# Allegro board RK3588S_Template_LP4XD200P232SD8H2_31X31_2133MHz_H1R0_V11_20220218YWQ.brd (continued)
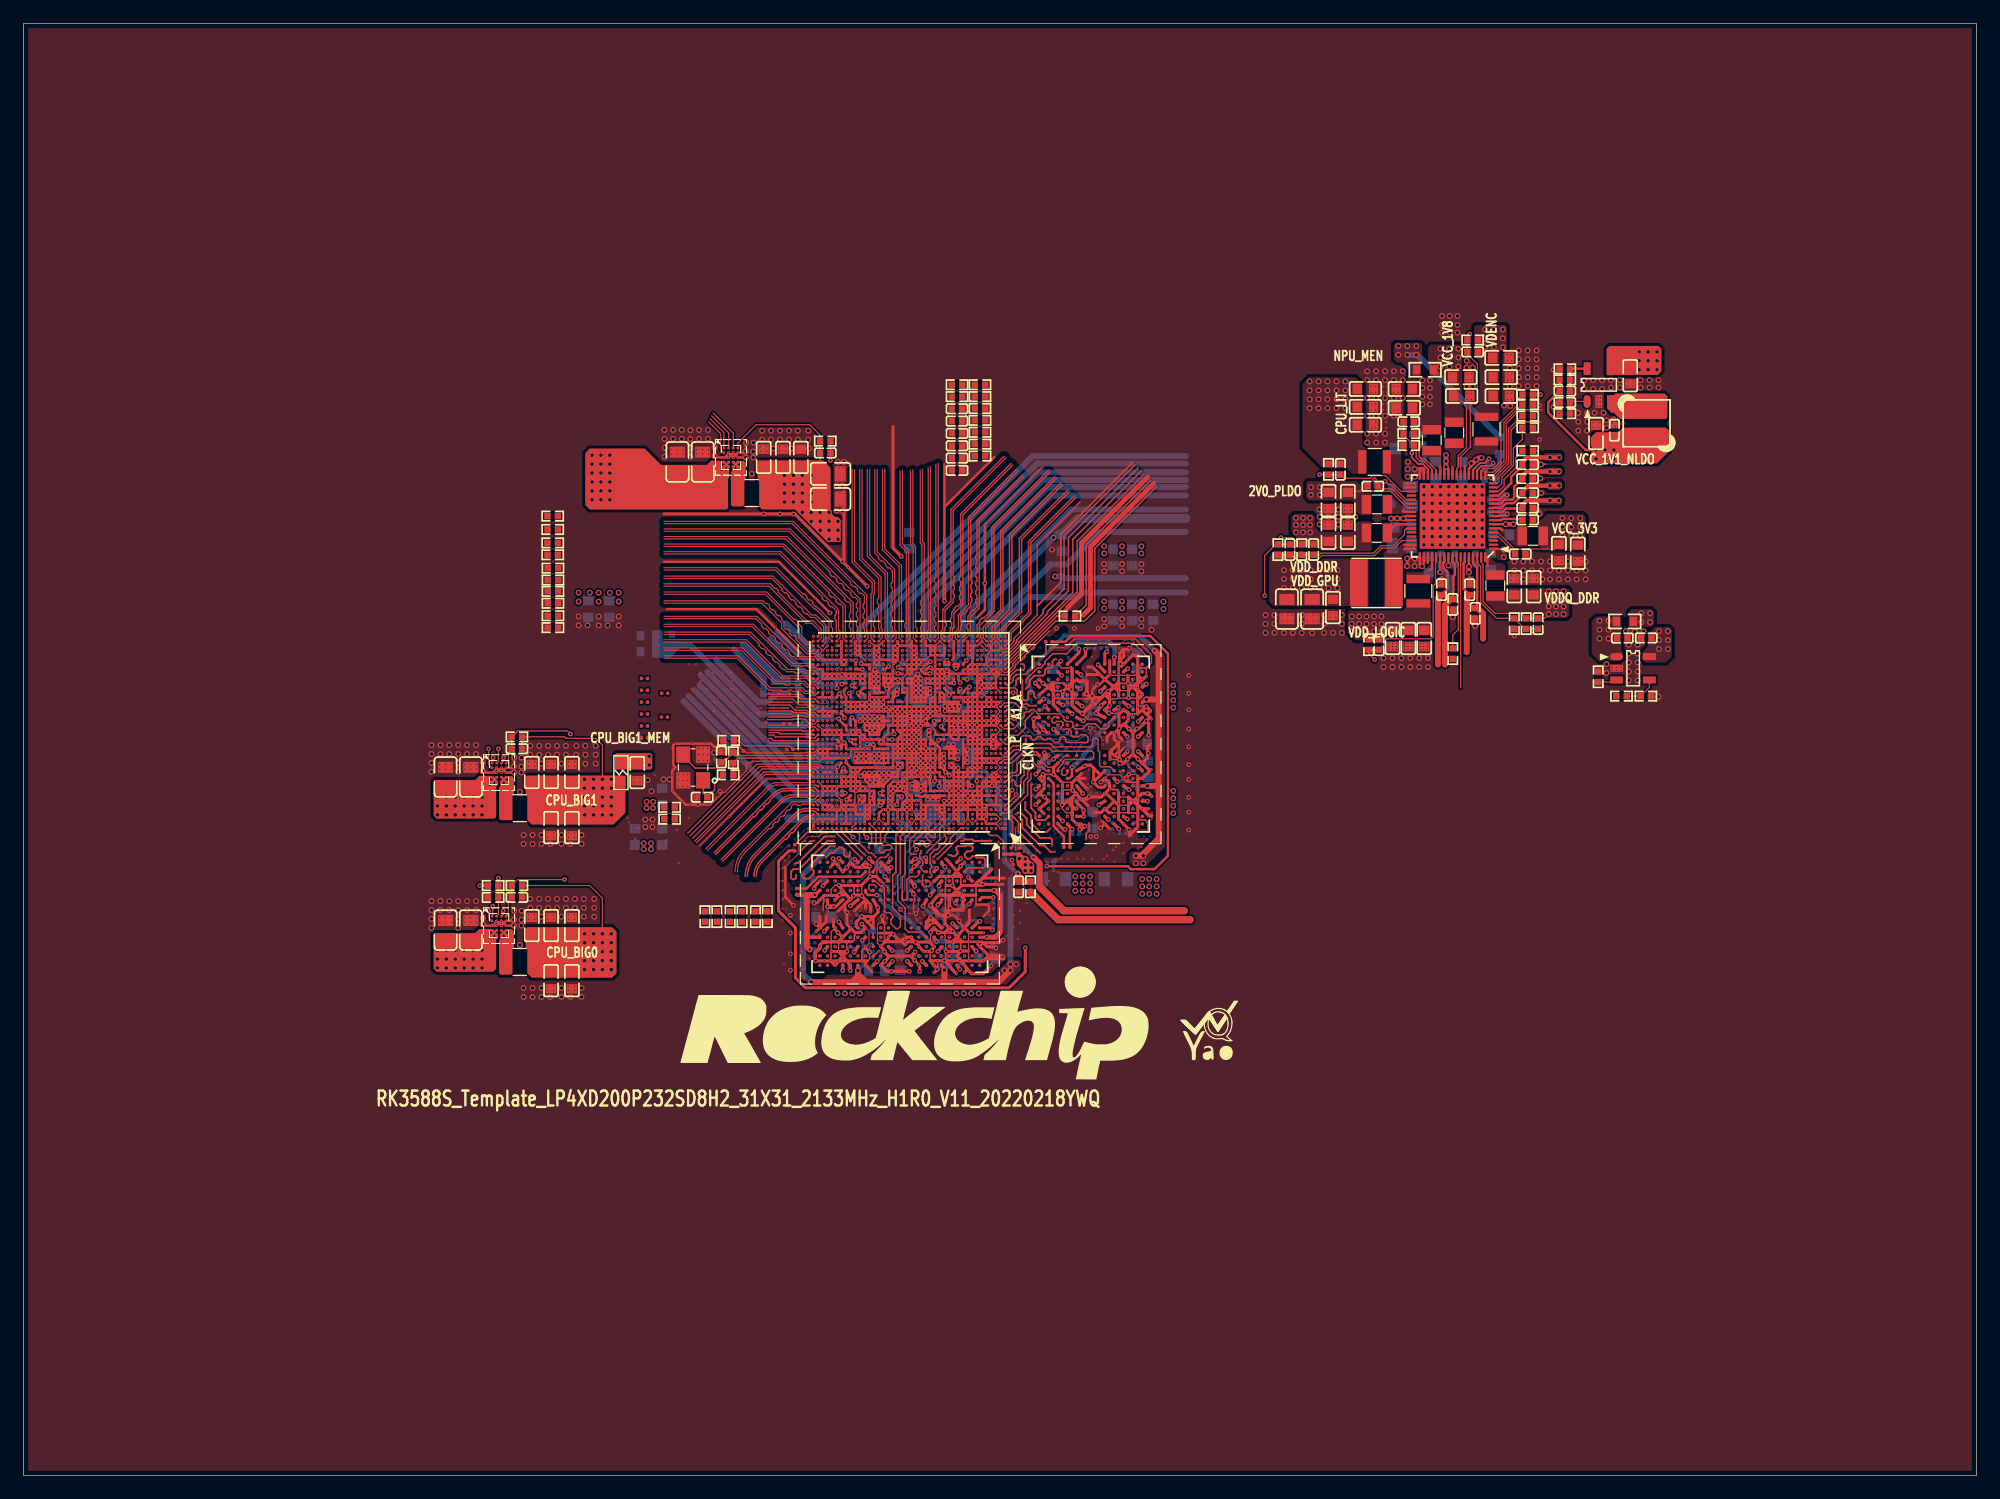
[diagram p0: board, top side]
## Routing (per net, layer and track width the routed paths; a pad name or vN(x,y) marks a point on that pad's centre or on a via; arc(x,y) is an arc through that point) (continued)
DDR_CH1_DQ1_C: length 14.1
  TOP w0.152: v2(79.06,53.02) 79.27,53.02 79.38,52.92 79.59,52.92 79.81,53.14 79.81,53.35 79.7,53.45 79.7,53.67 79.81,53.77 80.47,53.77 80.54,53.85 80.96,53.85 81.11,53.7 81.11,53.48 80.97,53.34 80.64,53.34 80.43,53.13 80.43,52.92 80.65,52.7 80.86,52.7 81.09,52.93 81.31,52.93 81.44,52.79 82.05,52.79 82.17,52.67 82.17,52.08 82.02,51.93 80.73,51.93 U3801.C2
  L3-S1 w0.079: v2(76.29,56.9) 76.29,56.81 76.51,56.59 76.51,56.05 76.89,55.66 77.11,55.66 77.19,55.59 77.19,54.93 78.76,53.36 78.76,53.19 78.94,53.01 79.05,53.01 v2(79.06,53.02)
DDR_CH1_DQ1_D: length 12.9
  L3-S1 w0.079: v3(69.86,52.06) 69.4,51.6 v2(69.35,51.6) ; v2(74.29,56.1) v3(74.29,55.8)
  L6-S2 w0.079: v3(74.29,55.8) 73.98,55.48 72.63,55.48 72.46,55.31 71.07,55.31 70.99,55.23 70.99,55.14 70.91,55.06 70.76,55.06 70.68,55.14 70.68,55.23 70.6,55.31 69.82,55.31 69.74,55.23 69.74,55.07 69.82,54.99 70.41,54.99 70.48,54.91 70.48,54.75 70.41,54.67 69.82,54.67 69.74,54.6 69.74,54.44 69.82,54.36 70.53,54.36 70.61,54.28 70.61,54.12 70.53,54.04 69.82,54.04 69.74,53.97 69.74,53.81 69.82,53.73 70.07,53.73 70.15,53.65 70.15,53.49 70.07,53.41 69.87,53.41 69.8,53.34 69.8,53.16 70.02,52.94 70.02,52.23 69.86,52.07 v3(69.86,52.06)
DDR_CH1_DQ2_C: length 8.4
  L3-S1 w0.079: v3(77.24,53.83) 77.24,54.21 76.86,54.58 76.23,54.58 76.15,54.66 76.15,55.16 v2(76.29,55.3) ; v3(78.1,53.17) 78.1,53.09 78.86,52.33 78.87,52.33 79.06,52.15 79.06,52.13 79.18,52.01 79.68,52.01 79.76,51.93 79.76,51.73 79.68,51.65 79.12,51.65 v2(79.1,51.64)
  L6-S2 w0.079: v3(77.24,53.83) 77.45,53.83 77.73,54.11 77.97,54.11 78.73,53.35 78.73,53.24 78.44,52.95 78.33,52.95 v3(78.1,53.17)
DDR_CH1_DQ2_D: length 12
  L3-S1 w0.079: v2(74.69,55.7) 74.69,55.64 74.35,55.3 v3(74.35,54.62) ; v3(71.03,53.17) 70.71,52.85 70.71,52.54 70.72,52.54 70.72,51.69 v2(70.65,51.63)
  L6-S2 w0.079: v3(74.35,54.62) 74.83,54.15 75.1,54.15 75.18,54.23 75.18,54.54 75.1,54.62 75.01,54.62 74.93,54.7 74.93,54.86 75.01,54.93 75.1,54.93 75.18,55.01 75.18,55.29 75.1,55.37 74.71,55.37 74.31,54.97 72.88,54.97 72.5,54.6 72.5,54.34 72.63,54.21 72.63,54.1 72.52,53.99 72.41,53.99 72.28,54.12 72.17,54.12 72.06,54 72.06,53.89 72.32,53.64 72.32,53.52 72.2,53.41 72.09,53.41 71.91,53.59 71.11,53.59 71.03,53.52 v3(71.03,53.17)
DDR_CH1_DQ3_C: length 9.9
  L3-S1 w0.079: v3(78.35,52.33) 78.36,52.31 78.36,51.69 v2(78.45,51.6) ; v3(76.7,56.9) 76.69,56.9 v2(76.29,57.3)
  L6-S2 w0.079: v3(78.35,52.33) 77.52,53.15 77.23,53.15 77.05,53.34 77.05,53.54 76.89,53.69 76.89,54.03 77.47,54.61 77.47,54.71 77.55,54.79 77.77,54.79 77.85,54.87 77.85,55.03 77.77,55.11 77.55,55.11 77.47,55.19 77.47,55.34 77.55,55.42 77.77,55.42 77.85,55.5 77.85,55.66 77.77,55.74 77.55,55.74 77.47,55.82 77.47,55.97 77.55,56.05 78.03,56.05 78.1,56.13 78.1,56.29 78.03,56.37 77.55,56.37 77.47,56.45 77.47,56.77 77.3,56.94 76.74,56.94 v3(76.7,56.9)
DDR_CH1_DQ3_D: length 10.7
  L3-S1 w0.079: v2(71.3,51.6) 71.3,51.71 v3(71.07,51.94) ; v3(73,54.61) 73.09,54.7 v2(73.09,55.3)
  L6-S2 w0.079: v3(73,54.61) 73,54.1 72.66,53.76 72.66,53.16 72.58,53.09 72.14,53.09 71.88,52.83 71.88,52.58 72.05,52.41 72.56,52.41 72.66,52.3 72.66,51.87 72.46,51.67 72.46,51.56 72.58,51.44 72.77,51.44 72.9,51.31 72.9,50.77 72.67,50.54 72.52,50.54 72.38,50.67 72.27,50.67 72.14,50.54 71.94,50.54 71.77,50.71 71.77,50.82 72,51.05 72,51.3 71.92,51.38 71.74,51.38 71.64,51.48 71.64,51.59 71.82,51.77 71.82,51.88 71.68,52.01 71.57,52.01 71.37,51.81 71.2,51.81 v3(71.07,51.94)
DDR_CH1_DQ4_C: length 12.6
  L3-S1 w0.079: v2(77.49,56.1) 77.6,56 77.6,55.24 79.54,53.3 80.35,53.3 81.56,52.09 81.56,51.88 81.56,50.42 81.79,50.19 81.79,49.53 81.51,49.25 79.91,49.25 79.76,49.4 79.38,49.4 79.12,49.66 78.99,49.66 78.81,49.84 78.68,49.84 78.52,50 v2(78.45,50)
DDR_CH1_DQ4_D: length 12.8
  L3-S1 w0.079: v3(71.61,50.03) 71.33,50.03 v2(71.3,50) ; v2(74.29,56.5) 74.16,56.37 v3(73.99,56.37)
  L6-S2 w0.079: v3(73.99,56.37) 74.23,56.37 74.56,56.05 75.11,56.05 75.69,55.47 75.69,53.58 75.61,53.51 75.14,53.51 75.06,53.43 75.06,53.27 75.14,53.19 75.49,53.19 75.56,53.11 75.56,52.65 75.49,52.57 75.37,52.57 75.08,52.87 74.97,52.87 74.86,52.76 74.86,52.65 75.18,52.32 75.18,52.21 74.74,51.77 74.74,51.37 74.04,50.67 73.53,50.67 72.88,50.03 v3(71.61,50.03)
DDR_CH1_DQ5_C: length 9
  L3-S1 w0.079: v3(78.33,55.72) 78.27,55.72 v2(77.89,56.1) ; v2(79.1,50) v3(78.89,50.22)
  L6-S2 w0.079: v3(78.33,55.72) 78.1,55.5 78.1,54.36 78.25,54.21 78.36,54.21 78.44,54.29 78.55,54.29 78.66,54.18 78.66,54.07 78.58,53.99 78.58,53.88 79.74,52.72 79.74,52.22 79.74,52.21 79.54,52.01 79.18,52.01 78.83,51.66 78.36,51.66 78.16,51.46 78.16,50.94 v3(78.89,50.22)
DDR_CH1_DQ5_D: length 11.3
  L3-S1 w0.079: v2(73.09,55.7) 73.85,54.94 73.85,53.97 74.04,53.79 v3(74.04,53.59) ; v3(70.44,49.74) v2(70.65,49.96)
  L6-S2 w0.079: v3(70.44,49.74) 70.57,49.87 71.04,49.87 71.12,49.95 71.12,50.55 71.28,50.71 71.41,50.71 71.83,50.28 72.78,50.28 73.15,50.66 73.15,51.31 73.38,51.54 73.96,51.54 74.04,51.46 74.04,51.31 74.12,51.23 74.23,51.23 74.48,51.48 74.48,52.85 74.04,53.3 v3(74.04,53.59)
DDR_CH1_DQ6_C: length 12.7
  L3-S1 w0.079: v2(80.4,50) 80.47,49.93 80.47,49.86 80.39,49.78 80.14,49.78 80.01,49.91 80.01,50.14 79.93,50.22 79.68,50.22 79.4,49.94 79.4,49.74 79.48,49.66 79.88,49.66 80.01,49.53 80.73,49.53 80.8,49.61 80.8,50.32 81.31,50.83 81.31,51.98 80.25,53.04 79.43,53.04 79.39,53.09 77.39,55.09 77.39,55.76 77.27,55.88 77.27,56.28 v2(77.49,56.5)
DDR_CH1_DQ6_D: length 15.1
  TOP w0.152: v2(70.61,53.3) 70.61,52.98 70.52,52.89 70.26,52.89 70.1,53.04 70.1,53.52 69.95,53.67 69.67,53.67 69.21,53.21 68.98,53.21 v2(68.57,52.81)
  L3-S1 w0.079: v2(73.49,56.1) 73.49,56 73.41,55.93 73.01,55.93 72.77,55.69 72.77,55.5 72.64,55.37 72.64,55.23 72.71,55.16 72.83,55.16 72.9,55.09 72.9,55 72.83,54.93 72.71,54.93 72.64,54.86 72.64,54.36 72.01,53.72 72.01,53.53 71.91,53.43 71.77,53.43 71.68,53.51 70.69,53.51 70.61,53.44 v2(70.61,53.3) ; v2(69.31,49.98) 69.37,50.04 69.85,50.04 70.1,49.79 70.1,49.53 69.75,49.18 69.58,49.18 68.96,49.79 68.96,50.6 68.2,51.37 68.2,52.02 68.11,52.11 68.11,52.4 68.52,52.81 v2(68.57,52.81)
DDR_CH1_DQ7_C: length 11.3
  L3-S1 w0.079: v3(77.98,56.79) 77.89,56.71 v2(77.89,56.5) ; v2(81.05,50) 81.22,50.17 v3(81.33,50.17)
  L6-S2 w0.079: v3(81.33,50.17) 81.33,50.34 82.29,51.31 82.29,55.4 82.19,55.5 82.19,55.71 81.67,56.24 78.53,56.24 v3(77.98,56.79)
DDR_CH1_DQ7_D: length 14.5
  L3-S1 w0.079: v2(68.7,50) 68.61,50.09 68.5,50.09 68.33,49.92 68.33,49.58 68.4,49.5 68.47,49.5 68.54,49.42 68.54,49.26 68.39,49.11 68.24,49.11 67.99,49.36 67.99,49.91 67.88,50.02 67.88,50.63 67.96,50.71 68.16,50.71 68.27,50.82 68.27,50.93 67.82,51.38 67.52,51.38 67.45,51.46 67.45,51.59 67.52,51.67 67.86,51.67 67.94,51.74 67.94,51.86 67.86,51.93 67.52,51.93 67.45,52.01 67.45,52.15 67.53,52.23 67.78,52.23 67.86,52.31 67.86,52.56 68.36,53.06 69.85,53.06 70,53.21 70.12,53.21 70.3,53.4 70.3,53.52 70.51,53.73 71.75,53.73 72.43,54.41 72.43,54.6 72.32,54.72 72.32,54.92 72.42,55.02 72.42,55.52 72.52,55.63 72.52,55.85 72.69,56.03 v2(72.69,56.1)
DDR_CH1_DQ8_C: length 17.4
  L3-S1 w0.079: v2(80.29,56.5) 80.53,56.26 81.03,56.26 81.1,56.33 81.58,56.33 82.08,55.83 82.08,55.59 82.23,55.43 82.23,54.29 82.89,53.63 82.89,53.1 83.31,52.68 83.31,52.09 83.39,52.01 83.74,52.01 83.82,51.93 83.82,51.78 83.74,51.7 83.34,51.7 83.18,51.55 83.18,51.39 83.26,51.31 83.74,51.31 83.82,51.23 83.82,50.68 83.92,50.58 83.92,46.89 83.15,46.12 83.04,46.12 82.92,46.24 82.81,46.24 82.7,46.12 82.7,46.01 82.82,45.9 82.82,45.78 81.43,44.4 v2(81.05,44.4)
DDR_CH1_DQ8_D: length 16.9
  TOP w0.152: v2(66.43,53.42) 67.22,54.21 v2(67.56,54.21)
  L3-S1 w0.079: v2(70.69,56.5) 70.26,56.07 70.26,55.95 70.04,55.73 69.78,55.73 69.12,55.06 69.12,55.06 68.76,54.7 68.55,54.7 68.05,54.21 v2(67.56,54.21) ; v2(66.43,53.42) 66.24,53.42 65.15,52.32 65.15,48.89 65.89,48.16 65.89,47.27 68.07,45.09 68.07,44.72 68.4,44.4 v2(68.7,44.4)
DDR_CH1_DQ9_C: length 16.4
  L3-S1 w0.079: v2(79.49,55.7) 79.49,55.64 79.86,55.27 79.86,54.82 80.45,54.23 80.9,54.23 81.15,53.98 81.68,53.98 82.12,53.53 82.12,52.63 82.33,52.41 82.33,52.41 82.33,51.4 82.9,50.83 82.9,50.72 82.82,50.64 82.82,50.53 82.93,50.42 83.04,50.42 83.12,50.5 83.23,50.5 83.4,50.33 83.4,49.02 83.32,48.94 83.26,48.94 83.18,48.86 83.18,48.71 83.26,48.63 83.32,48.63 83.4,48.55 83.4,48.39 83.32,48.31 83.26,48.31 83.18,48.23 83.18,48.08 83.26,48 83.32,48 83.4,47.92 83.4,47.75 81.84,46.19 81.84,45.9 81.06,45.12 81.06,44.85 80.98,44.77 80.87,44.77 80.72,44.92 80.61,44.92 80.5,44.81 80.5,44.69 80.67,44.52 80.67,44.4 80.59,44.33 80.48,44.33 v2(80.4,44.4)
DDR_CH1_DQ9_D: length 20.5
  L3-S1 w0.064: v2(72.69,56.5) 72.46,56.5 v3(72.39,56.57)
  L3-S1 w0.079: v3(69.12,44.63) v2(69.35,44.4)
  L6-S2 w0.079: v3(69.12,44.63) 69.12,44.8 65.15,48.77 65.15,54.4 67.18,56.42 69.43,56.42 69.72,56.13 71.4,56.13 71.85,56.58 72.38,56.58 v3(72.39,56.57)
DDR_CH1_DQ10_C: length 18.4
  TOP w0.152: v2(82.68,54.23) 81.21,54.23 81.08,54.36 80.42,54.36 80.29,54.23 v2(80.14,54.23)
  L3-S1 w0.079: v2(80.14,54.23) 79.63,54.74 79.63,55.16 v2(79.49,55.3) ; v2(82.68,54.23) 83.15,53.76 83.15,53.21 83.57,52.79 83.57,52.58 84.07,52.07 84.07,50.78 84.17,50.68 84.17,46.77 81.47,44.07 79.44,44.07 v2(79.1,44.4)
DDR_CH1_DQ10_D: length 20.9
  L3-S1 w0.079: v2(70.65,44.4) 70.9,44.16 71.43,44.16 71.67,44.4 71.67,45.28 72,45.61 72,45.87 70.48,47.38 70.48,47.52 69.75,48.25 69.75,48.65 69.46,48.94 68.58,48.94 68.43,48.79 68.17,48.79 67.67,49.28 67.4,49.28 67.19,49.49 67.19,52.26 68.25,53.32 69.74,53.32 70.39,53.98 71.09,53.98 72.14,55.02 72.14,55.5 71.97,55.66 71.97,56.6 72.26,56.9 v2(72.69,56.9)
DDR_CH1_DQ11_C: length 16.4
  L3-S1 w0.079: v3(78.49,45.13) 78.49,44.43 v2(78.45,44.4) ; v2(80.29,56.1) 80.07,55.88 80.07,55.61 80.26,55.42 80.26,55.12 80.64,54.74 81.04,54.74 81.36,54.42 81.78,54.42 82.63,53.57 82.63,52.84 v3(82.93,52.54)
  L6-S2 w0.079: v3(78.49,45.13) 78.49,45.38 78.34,45.52 78.34,45.96 78.99,46.6 78.99,47.24 79.33,47.58 79.33,48.09 80.13,48.89 80.13,49.17 80.41,49.44 81.11,49.44 81.23,49.33 81.72,49.33 82.16,49.78 82.16,50.17 82.55,50.56 82.55,52.16 v3(82.93,52.54)
DDR_CH1_DQ11_D: length 18.6
  L3-S1 w0.079: v2(71.3,44.4) 71.41,44.51 71.41,45.52 70.91,46.02 70.91,46.16 70.08,46.98 69.25,46.98 68.74,47.5 68.53,47.5 68.15,47.88 68.03,47.88 66.93,48.98 66.93,52.36 68.09,53.52 69.62,53.52 70.32,54.22 70.99,54.22 71.55,54.78 71.66,54.78 71.88,55 71.88,55.37 71.75,55.5 71.75,56.64 v2(71.49,56.9)
DDR_CH1_DQ12_C: length 13.6
  L3-S1 w0.079: v2(78.45,46) 78.45,46.2 78.7,46.44 78.7,46.65 78.61,46.74 78.61,46.99 78.75,47.12 78.75,47.36 v3(78.64,47.46) ; v3(81.78,53.09) 81.66,53.09 80.77,53.98 79.88,53.98 79.41,54.45 79.41,55.07 79.27,55.21 79.27,55.92 v2(79.09,56.1)
  L6-S2 w0.079: v3(81.78,53.09) 81.78,51.3 79.88,49.4 79.5,49.4 78.88,48.78 78.88,48.21 78.64,47.98 v3(78.64,47.46)
DDR_CH1_DQ12_D: length 15.8
  L3-S1 w0.079: v3(66.31,50.8) 66.31,51.45 66.68,51.82 66.68,52.47 67.93,53.72 68.96,53.72 69.24,54 69.42,54 70.15,54.74 70.27,54.74 71.23,55.7 v2(71.49,55.7) ; v3(67.86,48.53) 67.91,48.53 68.35,48.09 69.53,48.09 70.1,47.52 70.1,47.33 71.3,46.13 v2(71.3,46)
  L6-S2 w0.079: v3(67.86,48.53) 67.42,48.53 66.67,49.28 66.67,50.43 v3(66.31,50.8)
DDR_CH1_DQ13_C: length 17.2
  L3-S1 w0.079: v3(80.39,47.88) 80.39,47.12 79.88,46.61 79.88,46.48 79.5,46.1 79.15,46.1 v2(79.1,46.05) ; v2(79.09,56.9) 79.24,56.9 v3(79.44,56.7)
  L6-S2 w0.079: v3(80.39,47.88) 80.39,48.86 80.69,49.16 81.04,49.16 81.12,49.07 81.82,49.07 82.42,49.68 82.42,50.07 83.27,50.91 83.27,52.75 82.68,53.34 82.68,55.38 82.45,55.6 82.45,55.89 82.56,55.99 82.56,56.26 82.3,56.52 81.53,56.52 81.13,56.92 80.39,56.92 80.15,56.68 79.46,56.68 v3(79.44,56.7)
DDR_CH1_DQ13_D: length 16.2
  L3-S1 w0.079: v2(70.65,46.05) 69.98,46.73 69.15,46.73 68.63,47.24 68.3,47.24 v3(68.01,47.54) ; v3(65.8,49.23) 65.41,49.63 65.41,52.2 65.73,52.52 66.36,52.52 67.82,53.98 68.2,53.98 68.71,54.48 68.84,54.48 69.86,55.5 70.09,55.5 v2(70.69,56.1)
  L6-S2 w0.079: v3(68.01,47.54) 66.32,49.23 v3(65.8,49.23)
DDR_CH1_DQ14_C: length 15.5
  L3-S1 w0.079: v2(77.89,55.3) 79.63,53.55 80.46,53.55 81.82,52.2 81.82,51.13 82.11,50.84 82.11,50.84 82.3,50.65 82.3,50.39 82.3,50.38 82.3,50.16 82.22,50.08 82.12,50.08 82.04,50 82.04,49.84 82.12,49.77 82.22,49.77 82.3,49.69 82.3,49.65 82.29,49.64 82.29,49.53 82.22,49.45 82.12,49.45 82.04,49.37 82.04,49.21 82.12,49.14 82.22,49.14 82.3,49.06 82.3,48.64 82.22,48.56 82.11,48.56 81.74,48.93 81.62,48.93 81.51,48.82 81.51,48.71 81.88,48.34 81.88,48.23 81.7,48.04 81.58,48.04 81.36,48.26 81.25,48.26 81.14,48.15 81.14,48.04 81.23,47.94 81.23,47.83 81.12,47.72 81.01,47.72 81,47.74 80.88,47.74 80.77,47.63 80.77,47.51 80.92,47.37 80.92,47.26 80.14,46.48 80.14,46.1 80.24,46 v2(80.4,46)
DDR_CH1_DQ14_D: length 16.9
  TOP w0.152: v2(69.21,54.24) 68.72,54.24 66.29,51.82 65.79,51.82 65.58,51.61 65.58,51.08 65.71,50.95 65.89,50.95 66.01,51.08 v2(66.01,51.31)
  L3-S1 w0.079: v2(69.21,54.24) 69.36,54.24 70.1,54.99 70.2,54.99 71.09,55.88 71.27,55.88 v2(71.49,56.1) ; v2(66.01,51.31) 65.97,51.26 65.97,49.97 66.4,49.53 66.4,47.52 68.18,45.74 69.1,45.74 v2(69.35,46)
DDR_CH1_DQ15_C: length 16.4
  L3-S1 w0.079: v2(77.89,55.7) 78.11,55.48 78.11,55.37 79.7,53.77 80.6,53.77 82.08,52.3 82.08,51.23 82.21,51.1 82.22,51.1 82.56,50.76 82.56,49.54 82.55,49.54 82.55,49.27 82.56,49.26 82.56,48.91 82.64,48.84 82.85,48.84 82.93,48.76 82.93,48.6 82.85,48.52 82.63,48.52 82.55,48.44 82.55,48.28 82.63,48.21 82.85,48.21 82.93,48.13 82.93,47.64 82.7,47.41 82.59,47.41 82.44,47.56 82.33,47.56 82.21,47.45 82.21,47.34 82.37,47.19 82.37,47.07 82.25,46.96 82.14,46.96 82.01,47.1 81.91,47.1 81.86,47.05 81.85,47.05 81.79,46.99 81.79,46.88 81.92,46.74 81.92,46.63 81.84,46.55 81.72,46.55 81.59,46.68 81.4,46.68 81.26,46.54 81.26,46.42 81.57,46.12 81.57,46.01 81.2,45.64 81.09,45.64 80.99,45.75 80.99,45.86 v2(81.13,45.99)
DDR_CH1_DQ15_D: length 16.5
  TOP w0.152: v2(66.66,51.44) 66.55,51.33 66.55,51.16 66.7,51.01 67.08,51.01 67.52,51.45 67.52,51.67 67.26,51.93 67.26,52.14 68.88,53.76 v2(69.34,53.76)
  L3-S1 w0.079: v2(68.7,46) 68.3,46 67.18,47.12 67.18,47.32 67.64,47.78 67.64,47.9 67.53,48.01 67.42,48.01 66.96,47.55 66.85,47.55 66.74,47.66 66.74,48.04 66.81,48.12 67.1,48.12 67.18,48.2 67.18,48.36 67.1,48.44 66.81,48.44 66.66,48.59 v2(66.66,51.44) ; v2(71.49,55.3) 71.18,55.3 70.36,54.48 70.23,54.48 69.51,53.76 v2(69.34,53.76)
DDR_CH1_DQS0N_C: length 7.5
  L3-S1 w0.069: v3(78.99,51.07) 79.08,50.98 v2(79.08,50.77) ; v3(81.48,55.61) 81.28,55.41 81.08,55.41 80.93,55.56 80.78,55.56 80.69,55.65 v2(80.69,55.7)
  L6-S2 w0.069: v3(81.48,55.61) 81.28,55.41 81.06,55.41 80.73,55.07 80.73,53.42 80.62,53.31 80.62,53.12 80.73,53.01 80.73,52.23 80.08,51.57 79.37,51.57 79.19,51.4 79.19,51.26 v3(78.99,51.07)
DDR_CH1_DQS0N_D: length 7.6
  L3-S1 w0.069: v3(70.45,51.07) 70.63,50.88 v2(70.63,50.77) ; v2(67.89,55.3) 67.65,55.3 v3(67.58,55.23)
  L6-S2 w0.069: v3(70.45,51.07) 70.35,51.07 70.22,51.19 70.22,51.2 70.17,51.26 70.17,51.33 70.01,51.48 69.73,51.48 69.5,51.71 68.52,51.71 67.75,52.47 67.75,54.49 67.25,54.99 67.25,55.36 67.32,55.43 67.39,55.43 v3(67.58,55.23)
DDR_CH1_DQS0P_C: length 7.2
  L3-S1 w0.069: v3(81.48,55.04) 81.28,55.24 81.01,55.24 80.86,55.39 80.78,55.39 v2(80.69,55.3) ; v2(79.73,50.77) 79.73,50.9 v3(79.56,51.07)
  L6-S2 w0.069: v3(79.56,51.07) 79.36,51.26 79.36,51.33 79.44,51.4 80.15,51.4 80.9,52.15 80.9,55 81.14,55.24 81.28,55.24 v3(81.48,55.04)
DDR_CH1_DQS0P_D: length 7.7
  L3-S1 w0.069: v2(69.98,50.77) 69.97,50.79 69.97,50.98 v3(69.88,51.07) ; v3(67.58,55.8) 67.68,55.7 v2(67.89,55.7)
  L6-S2 w0.069: v3(69.88,51.07) 69.99,51.18 69.99,51.26 69.94,51.31 69.66,51.31 69.43,51.53 68.45,51.53 67.58,52.4 67.58,54.42 67.08,54.91 67.08,55.44 67.25,55.6 67.39,55.6 v3(67.58,55.8)
DDR_CH1_DQS1N_C: length 13.6
  L3-S1 w0.069: v2(79.1,45.15) 79.15,45.19 v3(79.15,45.45) ; v2(82.69,55.3) 82.83,55.16 82.83,55.09 83.23,54.69 83.3,54.69 83.87,54.12 83.87,53.98 83.8,53.92 v3(83.68,53.92)
  L6-S2 w0.069: v3(83.68,53.92) 83.88,53.72 83.88,53.65 83.88,49.58 83.04,48.74 82.89,48.74 82.75,48.6 82.75,48.45 82.61,48.31 82.4,48.31 82.3,48.41 82.09,48.41 81.99,48.31 81.71,48.31 79.35,45.94 79.35,45.65 v3(79.15,45.45)
DDR_CH1_DQS1N_D: length 15.1
  L3-S1 w0.069: v3(70.59,45.48) 70.59,45.22 v2(70.63,45.17) ; v2(69.89,56.1) 69.88,56.11 69.74,56.11 68.99,55.37 68.77,55.37 67.99,54.59 66.83,54.59 66.72,54.48 66.72,54.39 v3(66.92,54.2)
  L6-S2 w0.069: v3(66.92,54.2) 66.72,54 66.72,52.77 68.34,51.15 68.57,51.15 69.14,50.58 69.14,50.58 69.26,50.46 69.26,49.62 69.39,49.49 69.39,49.49 69.58,49.29 69.59,49.29 70.01,48.87 70.01,48 70.02,47.99 70.02,47.99 70.22,47.79 70.22,47.79 70.39,47.62 70.39,45.67 v3(70.59,45.48)
DDR_CH1_DQS1P_C: length 13.4
  L3-S1 w0.069: v3(84.25,53.92) 84.16,53.92 84.04,54.03 84.04,54.19 83.37,54.86 83.3,54.86 83,55.16 83,55.21 v2(83.09,55.3) ; v3(79.71,45.45) 79.71,45.19 v2(79.75,45.15)
  L6-S2 w0.069: v3(84.25,53.92) 84.05,53.72 84.05,53.57 84.05,49.51 82.68,48.13 81.78,48.13 79.52,45.87 79.52,45.65 v3(79.71,45.45)
DDR_CH1_DQS1P_D: length 15.5
  L3-S1 w0.069: v3(66.35,54.2) 66.55,54.4 66.55,54.55 66.76,54.76 67.85,54.76 67.92,54.76 68.69,55.54 68.92,55.54 69.67,56.28 69.67,56.28 v2(69.89,56.5) ; v2(69.98,45.17) 70.02,45.22 v3(70.02,45.48)
  L6-S2 w0.069: v3(66.35,54.2) 66.55,54 66.55,52.7 68.27,50.98 68.5,50.98 68.96,50.51 68.96,50.51 69.09,50.38 69.09,49.55 69.21,49.42 69.21,49.41 69.51,49.12 69.52,49.12 69.84,48.79 69.84,47.93 69.85,47.92 69.85,47.92 70.15,47.62 70.15,47.62 70.22,47.55 70.22,45.67 v3(70.02,45.48)
DDR_CH1_LP4/4X_CKE0/LP5_CS0_C: length 6.9
  TOP w0.122: v1(76.32,53.52) 76.07,53.77 76.07,54.13 77.09,55.15 U1000.A18
  BOTTOM w0.122: R3814.1 75.59,49.77 75.69,49.87 75.69,52.89 v1(76.32,53.52)
DDR_CH1_LP4/4X_CKE0/LP5_CS0_D: length 8.2
  TOP w0.122: v1(70.89,54.56) 70.29,55.15 U1000.A35
  BOTTOM w0.122: v1(70.89,54.56) 71.35,54.09 73.8,54.09 74.55,53.34 74.55,50.52 R3816.2
DDR_CH1_LP4/4X_CKE1/LP5_CS1_C: length 9.7
  TOP w0.127: v1(79.09,54.94) U1000.A13
  BOTTOM w0.122: R3815.1 75.06,49.12 75.06,49.77 75.31,50.02 75.31,53.09 76.12,53.9 77.9,53.9 78.94,54.94 v1(79.09,54.94)
DDR_CH1_LP4/4X_CKE1/LP5_CS1_D: length 8.4
  TOP w0.122: v1(72.07,54.49) 71.81,54.75 71.81,55.22 U1000.A31
  BOTTOM w0.122: R3817.2 74.93,50.26 74.93,53.85 74.28,54.49 v1(72.07,54.49)
DDR_CH1_LP4/4X_CS0_C: length 10.8
  TOP w0.102: 78.67,55.32 U1000.B15
  TOP w0.122: 78.67,55.32 78.67,54.74 78.83,54.58 78.83,54.25 78.58,54.01 78.39,54.01 78.26,53.88 78.26,53.69 78.04,53.47 77.85,53.47 77.47,53.09 77.47,52.29 77.57,52.19 77.57,51.92 77.47,51.82 77.47,51.49 77.6,51.36 77.6,51.18 77.53,51.11 77.39,51.11 v2(77.34,51.16)
  L3-S1 w0.064: v2(77.34,51.16) 77.44,51.06 77.44,50.93 77.38,50.87 77.38,50.73 77.44,50.67 77.44,50.52 77.34,50.43 77.34,50.17 77.92,49.59 77.92,49.5 77.86,49.45 77.78,49.45 77.72,49.39 77.72,49.31 77.78,49.26 77.93,49.26 77.98,49.2 77.98,49.12 77.92,49.06 77.63,49.06 77.57,49.12 77.57,49.21 77.51,49.28 77.38,49.28 77.32,49.21 77.32,49.12 77.25,49.06 77.18,49.06 77.1,49.14 77.1,49.8 77.18,49.88 77.18,49.97 v2(77.15,50)
DDR_CH1_LP4/4X_CS0_D: length 11.2
  TOP w0.102: 72.63,55.36 U1000.B30
  TOP w0.122: 72.63,55.36 72.76,55.23 72.85,55.14 72.85,53.91 v2(72.79,53.85) ; U3801.R4 72.58,49.98 72.41,49.98 72.22,50.17 72.22,50.37 72.34,50.49 72.7,50.49 72.87,50.32 v2(72.87,50.27)
  L3-S1 w0.064: v2(72.79,53.85) 72.85,53.78 72.94,53.78 73,53.85 73,54.21 72.94,54.27 72.82,54.27 72.48,53.94 72.48,53.47 72.42,53.41 72.42,53.32 72.53,53.21 72.64,53.21 72.71,53.27 72.71,53.52 72.77,53.59 72.88,53.59 72.96,53.51 72.96,53.27 73.1,53.13 73.1,52.51 73.05,52.45 73.05,51.53 73.08,51.49 73.08,50.94 73.17,50.86 73.17,50.77 73.11,50.7 72.93,50.7 72.87,50.65 72.87,50.57 72.93,50.51 73.18,50.51 73.25,50.44 73.25,50.26 72.98,49.99 72.87,49.99 72.81,50.05 72.81,50.2 v2(72.87,50.27)
DDR_CH1_LP4/4X_CS1_C: length 8.9
  TOP w0.122: v2(76.83,51.28) 76.82,51.26 76.82,50.46 76.94,50.34 77.37,50.34 77.49,50.46 77.49,50.68 77.37,50.8 U3801.H3 ; v2(76.24,53.12) 76.21,53.09 75.84,53.09 75.72,53.21 75.72,54.32 76.69,55.29 U1000.A19
  L3-S1 w0.064: v2(76.24,53.12) 76.29,53.12 76.53,52.88 76.53,52.5 76.64,52.39 76.64,52.31 76.57,52.24 76.52,52.24 76.41,52.13 76.41,51.91 76.41,51.83 76.41,51.83 76.41,51.73 76.33,51.65 76.09,51.65 76.02,51.59 76.02,51.46 76.09,51.4 76.47,51.4 76.53,51.34 76.53,51.08 76.59,51.02 76.76,51.02 76.83,51.09 v2(76.83,51.28)
DDR_CH1_LP4/4X_CS1_D: length 14.8
  TOP w0.122: U1000.A23 75.09,55.29 74.55,54.75 74.55,51.56 74.27,51.28 74.27,48.51 74.93,47.85 74.93,46.94 74.73,46.74 74.55,46.74 74.11,47.18 74.11,47.5 74.28,47.67 74.28,47.85 74.02,48.1 73.71,48.1 73.57,48.24 73.57,50.2 73.41,50.36 73.25,50.36 72.81,50.8 U3801.R3
DDR_RESET: length 64.9
  TOP w0.122: v2(85.66,67.75) 85.66,68.01 86.67,69.01 86.92,69.01 87.28,69.37 87.28,69.56 87.95,70.23 89.15,70.23 90.04,71.12 94.87,71.12 v2(96.14,69.85) ; U1000.AG1 83.98,65.79 v2(84.2,65.79)
  L3-S1 w0.064: v2(96.14,69.85) 96.65,69.34 96.65,60.96 95.39,59.71 v3(95.18,59.71) ; v3(95.18,59.71) 95.18,59.68 95.38,59.48 95.38,58.16 95.54,58 95.54,57.37 95.83,57.08 95.83,54.68 94.97,53.82 94.08,53.82 92.58,52.32 88.77,52.32 84.92,48.47 84.92,46.38 81.08,42.55 73.41,42.55 72.09,43.87 v3(72.09,44.01) 71.95,44.14 v2(71.95,44.4) ; v3(95.18,59.71) 94.92,59.71 v2(94.79,59.57) ; v2(85.66,67.75) 85.43,67.53 85.43,66.63 84.59,65.79 v2(84.2,65.79)
  L6-S2 w0.066: v3(95.18,59.71) 95,59.89 v4(95,59.94) ; v3(72.09,44.01) v4(72.3,44.22)
  BOTTOM w0.122: v4(72.3,44.22) 72.33,44.26 C3898.1 ; v4(95,59.94) 94.94,60.01 C3899.1
EDP_TX0_AUXN: length 15.2
  TOP w0.112: 89.92,83.57 86.07,79.72 86.07,73.64 84.4,71.97 84.4,71.41 U1000.AY1
EDP_TX0_AUXP: length 14.9
  TOP w0.112: 89.78,83.7 85.87,79.8 85.87,73.72 84.2,72.05 84.2,71.49 84.01,71.3 U1000.BA1
EDP_TX0_D0N: length 15.9
  TOP w0.112: U1000.BA4 82.98,71.59 82.98,72.41 84.46,73.89 84.46,80.33 88.8,84.68
EDP_TX0_D0P: length 15.6
  TOP w0.112: 88.65,84.83 84.25,80.42 84.25,73.98 82.78,72.51 82.78,72.5 82.76,72.49 82.76,71.77 U1000.BB4
EDP_TX0_D1N: length 16.1
  TOP w0.112: 88.26,85.22 83.69,80.65 83.69,73.89 82.21,72.41 82.21,71.78 U1000.BB5
EDP_TX0_D1P: length 16.7
  TOP w0.112: U1000.BA5 82.01,71.58 82.01,71.82 82.01,71.82 82.01,72.49 83.5,73.97 83.5,80.73 88.12,85.36
EDP_TX0_D2N: length 17.1
  TOP w0.112: U1000.BA7 81.77,71.58 81.77,71.96 81.68,72.05 81.68,72.61 82.93,73.87 82.93,80.97 87.72,85.76
EDP_TX0_D2P: length 16.9
  TOP w0.112: 87.58,85.9 82.74,81.05 82.74,73.95 82.08,73.29 81.91,73.29 81.7,73.07 81.7,72.91 81.48,72.69 81.48,71.97 81.56,71.89 81.56,71.77 U1000.BB7
EDP_TX0_D3N: length 14.9
  TOP w0.112: U1000.BB2 83.44,71.75 83.44,71.97 85.29,73.81 85.29,79.99 89.39,84.09
EDP_TX0_D3P: length 15.6
  TOP w0.112: U1000.BA2 83.31,71.48 83.21,71.58 83.21,72.01 85.09,73.9 85.09,80.07 89.25,84.23
EMMC_CLKOUT: length 1.3
  TOP w0.107: 63.69,64.14 64.88,64.14 R1309.2
EMMC_CMD/FSPI_CLK: length 4
  TOP w0.102: U1000.AE42 67.38,65.01 67.03,65.01 66.85,65.19 65.77,65.19
  TOP w0.107: 63.69,65.33 65.63,65.33 65.77,65.19
EMMC_D0/FSPI_D0: length 4.3
  TOP w0.107: 63.69,62.99 63.88,62.99 64.08,62.79 67.78,62.79 U1000.Y41
EMMC_D1/FSPI_D1: length 11.7
  L3-S1 w0.064: v2(68.29,62.9) 68.04,62.9 67.82,63.12 66.42,63.12 66.34,63.04 61.67,63.04 60.47,64.25 57.17,64.25
EMMC_D2/FSPI_D2: length 4.4
  TOP w0.107: U1000.AA41 67.61,63.02 67.18,63.02 67.08,63.12 64.26,63.12 64.11,63.27 63.69,63.27
EMMC_D3/FSPI_D3: length 3.9
  TOP w0.107: 63.69,63.48 64.53,63.48 64.64,63.37 67.42,63.37 U1000.AA42
EMMC_D6/FSPI_CS0: length 4.7
  TOP w0.107: 63.55,64.65 63.61,64.59 65.73,64.59 65.79,64.64 66.76,64.64 67.22,64.19 67.58,64.19 U1000.AD41
EMMC_D7: length 4.6
  TOP w0.107: 63.69,65.84 65.49,65.84 65.92,65.4 66.94,65.4 67.12,65.22 67.58,65.22 U1000.AE41
EMMC_DATA_STROBE: length 12.3
  L3-S1 w0.064: v2(66.55,64.34) 66.52,64.36 63.86,64.36 60.93,67.29 57.36,67.29
  L3-S1 w0.066: v2(66.55,64.34) 68.06,64.34 v2(68.29,64.1)
EMMC_RSTN: length 12.4
  L3-S1 w0.064: 57.36,68 60.99,68 64.41,64.57 68.23,64.57 v2(68.29,64.5)
GAUGE_ALRT: length 13.8
  L3-S1 w0.076: 66.24,66.32 66.43,66.32 66.62,66.12 66.62,65.71 66.85,65.48 68.47,65.48 v2(68.69,65.7)
  L3-S1 w0.102: 66.24,66.32 61.81,70.75 57.36,70.75
GSENSOR_INT_L: length 13.7
  L3-S1 w0.076: 66.24,60.8 66.28,60.8 66.38,60.9 v2(68.69,60.9)
  L3-S1 w0.102: 57.53,54.74 59.06,54.74 65.12,60.8 66.24,60.8
HALL_INT_L: length 14.3
  L3-S1 w0.076: 66.24,65.38 66.34,65.38 66.54,65.18 69.01,65.18 69.49,65.66 v2(69.49,65.7)
  L3-S1 w0.102: 57.36,69.94 61.42,69.94 65.98,65.38 66.24,65.38
HDMI0_TX_ON_H: length 15
  L3-S1 w0.076: 75.01,72.57 75.31,72.26 75.31,70.68 v2(75.49,70.5)
  L3-S1 w0.102: 74.9,84.74 74.9,81.21 75.64,80.47 75.64,78.66 75.01,78.02 75.01,72.57
HDMI/EDP_TX0_REXT: length 3.3
  L3-S1 w0.102: v2(83.09,70.9) 83.2,70.9 83.68,71.37 84.2,71.37 85.22,72.39 v3(85.34,72.39)
  L6-S2 w0.102: v4(85.34,72.77) v3(85.34,72.39)
HDMI_TX0_CEC_M0: length 13
  L3-S1 w0.076: 73.74,72.74 73.96,72.51 73.96,70.97 v2(73.89,70.9)